# KiCad board KlusterLab r2.0.kicad_pcb (continued)
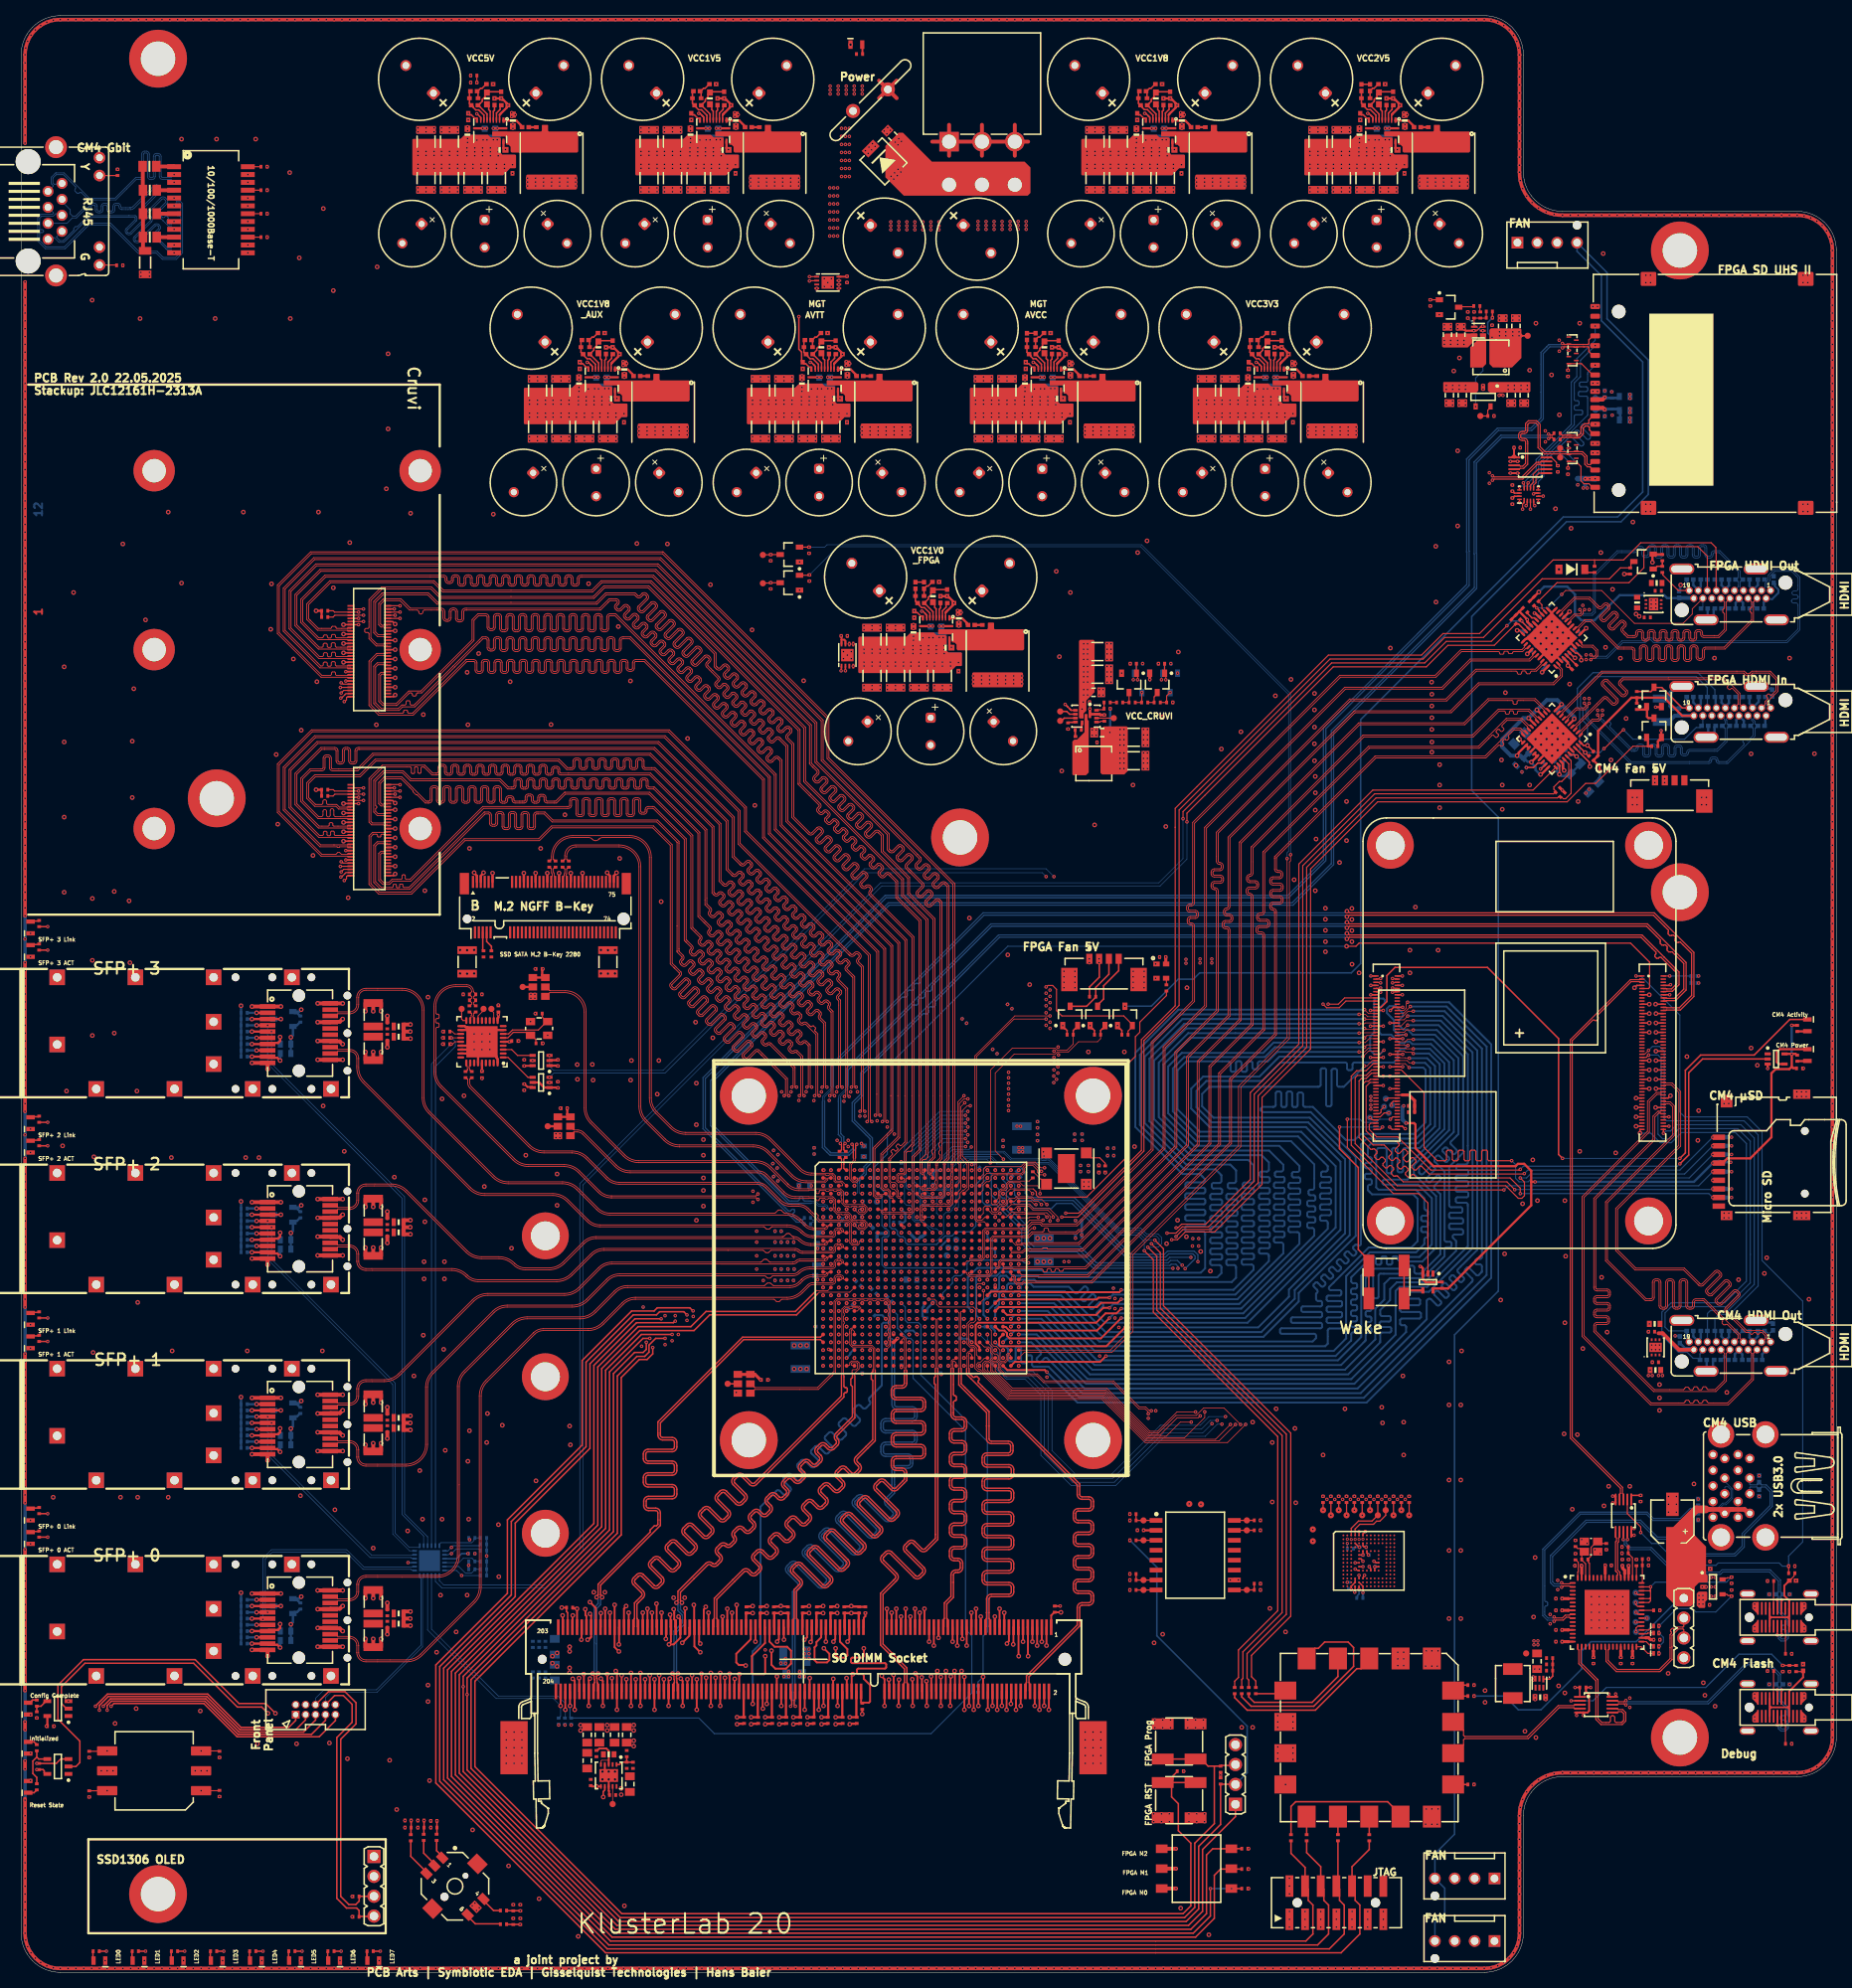
[diagram p0: board, top side]
## Routing (per net, layer and track width the routed paths; a pad name or vN(x,y) marks a point on that pad's centre or on a via; arc(x,y) is an arc through that point) (continued)
  L3 Inner2 (Sig) w0.1: v1(176.4,60.82) 176.4,61.9 arc(176.45,62.04) 176.6,62.1 176.78,62.1 arc(176.98,62.3) 176.78,62.5 176.02,62.5 arc(175.82,62.7) 176.02,62.9 176.79,62.9 arc(176.99,63.1) 176.79,63.3 176.6,63.3 arc(176.45,63.36) 176.4,63.5 176.4,64.2 175.65,64.95 175.65,82.75 159.15,99.25 135.86,99.25 135.12,99.99 133.41,99.99 131.05,102.35 v1(130.4,102.35)
eMMC.D6: length 86.3
  L3 Inner2 (Sig) w0.1: v1(170.4,60.82) 170.4,60.83 170.4,61.67 arc(170.45,61.78) 170.56,61.83 arc(170.67,61.87) 170.72,61.99 170.72,62.07 arc(170.67,62.18) 170.56,62.23 170.4,62.23 arc(170.29,62.27) 170.24,62.39 170.24,62.47 arc(170.29,62.58) 170.4,62.63 170.82,62.63 arc(170.94,62.67) 170.98,62.79 170.98,62.87 arc(170.94,62.98) 170.82,63.03 170.31,63.03 arc(170.19,63.07) 170.15,63.19 170.15,63.27 arc(170.19,63.38) 170.31,63.43 170.84,63.43 arc(170.95,63.47) 171,63.59 171,63.67 arc(170.95,63.78) 170.84,63.83 170.31,63.83 arc(170.19,63.87) 170.15,63.99 170.15,64.07 arc(170.19,64.18) 170.31,64.23 170.84,64.23 arc(170.95,64.27) 171,64.39 171,64.47 arc(170.95,64.58) 170.84,64.63 170.31,64.63 arc(170.19,64.67) 170.15,64.79 170.15,64.87 arc(170.19,64.98) 170.31,65.03 170.84,65.03 arc(170.95,65.07) 171,65.19 171,65.27 arc(170.95,65.38) 170.84,65.43 170.31,65.43 arc(170.19,65.47) 170.15,65.59 170.15,65.67 arc(170.19,65.78) 170.31,65.83 170.84,65.83 arc(170.95,65.87) 171,65.99 171,66.07 arc(170.95,66.18) 170.84,66.23 170.56,66.23 arc(170.45,66.27) 170.4,66.39 170.4,66.94 171.42,67.96 171.42,71.52 174.15,74.25 174.15,82.13 158.53,97.75 135.23,97.75 134.48,98.5 132.65,98.5 131.28,99.88 125.88,99.88 v1(125.5,99.5)
eMMC.D7: length 87
  L1 Top w0.1: U1.B21 123,102 123,102.62 123.32,102.94 127.79,102.94 128.37,103.52 129.6,103.52 130.32,102.8 v1(130.8,102.8)
  L3 Inner2 (Sig) w0.1: v1(130.8,102.8) 130.86,102.74 131.07,102.74 133.56,100.25 135.2,100.25 135.95,99.5 159.25,99.5 175.9,82.85 175.9,65.18 177.4,63.68 177.4,62.65 arc(177.45,62.5) 177.6,62.45 177.94,62.45 arc(178.14,62.25) 177.94,62.05 177.6,62.05 arc(177.45,61.99) 177.4,61.85 v1(177.4,60.82)
eMMC.DS: length 87.7
  L1 Top w0.1: U1.F22 124.1,96.9 124.93,96.9 125.01,96.98 v1(125.1,96.98)
  L3 Inner2 (Sig) w0.1: v1(125.1,96.98) 124.39,97.69 123.51,97.69 123.03,98.17 123.03,99.72 123.31,100 124.78,100 125,99.78 125,99.43 125.31,99.11 127.6,99.11 127.97,98.75 131.6,98.75 132.35,98 134.25,98 135,97.25 158.32,97.25 173.65,81.92 173.65,74.45 170.1,70.9 170.1,67.77 168.4,66.06 v1(168.4,60.82)
eMMC.~{RST: length 76.9
  L3 Inner2 (Sig) w0.1: v1(169.4,60.82) 169.4,61.19 169.59,61.39 169.59,65.1 169.35,65.35 169.35,66.5 170.42,67.57 170.42,70.87 173.9,74.35 173.9,82.02 158.42,97.5 135.11,97.5 134.36,98.25 132.5,98.25 131.73,99.02 128.33,99.02 127.85,99.5 v1(127.5,99.5)
eMMC_CLK: length 12.6
  L1 Top w0.1: R128.2 167.4,60.03
  L1 Top w0.165: v1(167.4,58.4) 167.4,60.03 ; v1(171.7,50.73) 171.7,50.65 171.51,50.47 171.51,50.35 U14.M6
  L3 Inner2 (Sig) w0.1: v1(171.7,50.73) 171.32,51.1 169.56,51.1 168.05,52.61 168.05,57.75 v1(167.4,58.4)
eMMC_CMD: length 12.7
  L1 Top w0.1: R127.2 166.4,60.03
  L1 Top w0.165: v1(166.4,59.05) 166.4,60.03 ; U14.M5 v1(171,50.73)
  L3 Inner2 (Sig) w0.1: v1(171,50.73) 169.17,50.73 167.7,52.2 167.7,57.15 166.4,58.45 v1(166.4,59.05)
eMMC_D0: length 6.6
  L1 Top w0.165: 173.4,58.4 R119.2 ; 173.4,58.4 172.66,57.66 170.93,57.66 170,56.73 U14.A3 ; 173.4,58.4 TP39.1
eMMC_D1: length 7.1
  L1 Top w0.165: U14.A4 170.5,56.65 171.1,57.25 172.84,57.25 173.24,57.65 173.66,57.65 174.4,58.39 TP40.1 174.4,60.03 R120.2
eMMC_D2: length 4.8
  L1 Top w0.1: R121.2 172.4,60.03
  L1 Top w0.165: U14.A5 171,56.3 v3(171,56.31) ; v1(172.4,59.05) 172.4,60.03
  L3 Inner2 (Sig) w0.1: v1(172.4,59.05) 172.4,58.68 171,57.27 171,56.31 v3(171,56.31)
eMMC_D3: length 10.9
  L1 Top w0.1: R122.2 175.4,60.03
  L1 Top w0.165: v1(175.4,58.4) 175.4,60.03
  L3 Inner2 (Sig) w0.1: v1(175.4,58.4) 173.89,58.4 172.74,59.54 171.72,59.54 170.81,58.63 170.81,58.29 169.5,56.97 v3(169.5,55.35)
eMMC_D4: length 5.3
  L1 Top w0.1: R123.2 171.4,60.03
  L1 Top w0.165: v1(171.4,58.4) 171.4,60.03
  L3 Inner2 (Sig) w0.1: v1(171.4,58.4) 171.4,58.33 170,56.92 v3(170,55.3)
eMMC_D5: length 8.7
  L1 Top w0.1: R124.2 176.4,60.03
  L1 Top w0.165: v1(176.4,59.05) 176.4,60.03
  L3 Inner2 (Sig) w0.1: v3(170.5,55.33) 170.97,55.8 171.91,55.8 173.11,57 174.79,57 176.4,58.61 v1(176.4,59.05)
eMMC_D6: length 8.4
  L1 Top w0.1: R125.2 170.4,60.03
  L1 Top w0.165: v1(170.4,59.05) 170.4,60.03
  L3 Inner2 (Sig) w0.1: v1(170.4,59.05) 170.4,58.41 169.11,57.13 169.11,54.58 169.36,54.33 170,54.33 v3(171,55.33)
eMMC_D7: length 8.8
  L1 Top w0.1: R126.2 177.4,60.03
  L1 Top w0.165: v1(177.4,58.4) 177.4,60.03
  L3 Inner2 (Sig) w0.1: v1(177.4,58.4) 176.57,58.4 174.85,56.68 173.24,56.68 171.91,55.35 v3(171.5,55.35)
eMMC_DS: length 9.6
  L1 Top w0.1: R130.2 168.4,60.03
  L1 Top w0.165: v1(168.4,59.05) 168.4,60.03
  L1 Top w0.166: v1(170.5,52.33) U14.H5
  L3 Inner2 (Sig) w0.1: v1(168.4,59.05) 168.43,59.02 168.43,53.42 169.52,52.33 v1(170.5,52.33)
eMMC_~{RST: length 11.1
  L1 Top w0.1: R129.2 169.4,60.03
  L1 Top w0.165: v1(169.4,58.4) 169.4,60.03 ; U14.K5 170.97,51.36 170.76,51.36 170.59,51.53 v1(170.5,51.53)
  L3 Inner2 (Sig) w0.1: v1(169.4,58.4) 169.4,57.88 168.79,57.28 168.79,53.6 169.4,53 170.5,53 171,52.5 171,52.03 v1(170.5,51.53)
FLASH.CLK: length 99.9
  L3 Inner2 (Sig) w0.1: v1(150.4,90.8) 150.4,88.45 149,87.05 149,66.4 157.64,57.76 v1(158.38,57.76)
  L12 Bottom w0.165: v1(150.4,90.8) 150.4,91.67 149.92,92.15 146.52,92.15 146.12,91.75 141.85,91.75 134.62,98.98 128.87,98.98 128.33,99.52 128.33,102 128.28,102.05 R117.2 128.28,102.29 127.91,102.67 127.91,102.67 127.63,102.95 123.29,102.95 123.01,102.66 123.01,101.66 122.02,100.68 122.02,95.37 121.27,94.61 119.48,94.61 118.96,94.09 118.09,94.09 117,93 113.3,93 113,93.3 113,93.7 112.7,94 112.3,94 112,94.3 112,94.7 111.7,95 111.3,95 111,95.3 111,99 v1(109.5,100.5)
FLASH.D0: length 90.3
  L3 Inner2 (Sig) w0.1: v1(158.38,56.49) 152.61,56.49 152.47,56.35 152.47,54.09 152.33,53.95 151.91,53.95 151.77,54.09 151.77,57.76 151.63,57.9 151.21,57.9 151.07,57.76 151.07,54.09 150.93,53.95 150.51,53.95 150.37,54.09 150.37,57.72 150.23,57.86 149.81,57.86 149.67,57.72 149.67,56.63 149.53,56.49 148.91,56.49 148.5,56.9 148.5,87.19 149.96,88.64 149.96,90.9 149.51,91.35 v1(149.5,91.35)
  L12 Bottom w0.165: v1(149.5,91.35) 146.79,91.35 146.44,91 141.55,91 134.31,98.23 132.33,98.23 131.69,97.59 129.44,97.59 128.87,98.16 127.03,98.16 125.91,99.28 125.91,100.8 125.52,101.18 125.52,101.48 v1(125.5,101.5)
FLASH.D1: length 89.3
  L3 Inner2 (Sig) w0.1: v1(141.71,48.85) 145.58,48.85 145.85,49.12 145.85,50.78 145.55,51.08 144.62,51.08 144.48,50.94 144.48,49.71 144.34,49.57 143.92,49.57 143.78,49.71 143.78,50.94 143.64,51.08 142.97,51.08 141,53.04 141,58.95 142.55,60.5 146.05,60.5 147,61.45 147,87.5 148.77,89.26 v1(148.77,89.91)
  L12 Bottom w0.165: v1(148.77,89.91) 150.05,91.2 150.05,91.5 149.75,91.8 146.67,91.8 146.26,91.39 141.7,91.39 134.47,98.62 127.68,98.62 126.98,99.32 126.98,100.67 126.66,100.99 126.29,100.99 126.01,101.28 126.01,102.01 v1(126.5,102.5)
FLASH.D2: length 92.2
  L3 Inner2 (Sig) w0.1: v1(158.39,48.86) 152.79,48.86 152.65,49 152.65,49.98 152.51,50.12 152.09,50.12 151.95,49.98 151.95,48.91 151.81,48.77 151.39,48.77 151.25,48.91 151.25,50.03 151.11,50.17 150.69,50.17 150.55,50.03 150.55,49 150.41,48.86 148.94,48.86 148,49.8 148,87.34 149.58,88.91 149.58,90.34 148.87,91.04 147.88,91.04 147.21,90.37 v1(147.21,89.95)
  L12 Bottom w0.165: v1(147.21,89.95) 137.04,89.95 134.94,92.05 128.93,92.05 127.88,93.1 127.88,94.84 124.67,98.05 123.25,98.05 122.86,98.44 122.86,100.86 v1(123.5,101.5)
FLASH.D3: length 92.7
  L3 Inner2 (Sig) w0.1: v1(141.71,57.74) 143.45,57.74 143.5,57.74 143.64,57.88 143.64,59.82 143.78,59.96 144.2,59.96 144.34,59.82 144.34,55.04 144.48,54.9 144.9,54.9 145.04,55.04 145.04,59.82 145.18,59.96 145.6,59.96 145.74,59.82 145.74,55.09 145.88,54.95 146.3,54.95 146.44,55.09 146.44,57.6 146.58,57.74 147.19,57.74 147.5,58.05 147.5,87.44 149.24,89.18 149.24,90.15 148.65,90.74 148.25,90.74 147.92,90.4 147.92,90.02 v1(147.85,89.95)
  L12 Bottom w0.165: v1(123.5,102.5) 124,102 124,99.33 128.31,95.02 128.31,93.21 129.13,92.39 135.15,92.39 137.22,90.32 146.84,90.32 146.98,90.47 147.59,90.47 147.81,90.25 147.81,89.99 v1(147.85,89.95)
FLASH.~{CS: length 93.1
  L3 Inner2 (Sig) w0.1: v1(148.39,90.35) 148.39,90.35 148.39,89.48 146.5,87.59 146.5,61.55 145.95,61 142.48,61 140.65,59.17 140.65,58.61 140.51,58.47 138.67,58.47 138.53,58.33 138.53,57.91 138.67,57.77 140.53,57.77 140.67,57.63 140.67,57.21 140.53,57.07 138.54,57.07 138.4,56.93 138.4,56.51 138.54,56.37 140.53,56.37 140.67,56.23 140.67,55.81 140.53,55.67 138.54,55.67 138.4,55.53 138.4,55.11 138.54,54.97 140.53,54.97 140.67,54.83 140.67,54.41 140.53,54.27 138.54,54.27 138.4,54.13 138.4,53.71 138.54,53.57 140.51,53.57 140.65,53.43 140.65,52.86 142.3,51.21 142.3,50.72 v1(141.71,50.12)
  L12 Bottom w0.165: v1(124.52,100.48) 124.98,100.02 124.98,99.36 125.4,98.94 125.66,98.94 126.01,98.58 126.01,97.92 128.72,95.2 128.72,93.42 129.41,92.73 135.34,92.73 137.43,90.65 146.61,90.65 146.91,90.95 147.77,90.95 148.39,90.33
FLASH.~{RST: length 2.6
  L1 Top w0.165: 143.45,55.21 U17.3 ; R118.1 TP59.1
FLASH_CLK: length 2.6
  L1 Top w0.165: TP57.1 156.65,57.75 U17.16 155.05,57.75 ; TP57.1 157.6,57.75 ; TP57.1 156.66,57.75
FLASH_D0: length 2.6
  L1 Top w0.165: U17.15 TP53.1 ; 156.65,56.48 R142.2
FLASH_D1: length 2.6
  L1 Top w0.165: R143.2 TP54.1 ; 143.45,48.86 U17.8
FLASH_D2: length 3.4
  L1 Top w0.165: R141.1 R144.2 TP55.1 ; U17.9 156.65,48.86
FLASH_D3: length 3.4
  L1 Top w0.165: R140.1 142.5,58.55 R145.2 TP56.1 ; 143.45,57.75 U17.1
FLASH_~{CS: length 3.3
  L1 Top w0.165: R139.1 142.5,50.9 R147.2 TP58.1 ; 143.45,50.13 U17.7
FPGA_DONE: length 283.2
  L1 Top w0.2: v2(31.55,33.1) 30.75,33.9 27.64,33.9 22.04,39.5 8.16,39.5 5.15,36.49 5.15,34.35 5.8,33.7 U15.2 ; v1(80.35,81) 79.48,81 75.2,76.72 75.2,56.52 56.5,37.82 v1(56.5,36.5) 56.5,25.65 76.15,6 149.2,6 151,7.8 151,15.7 155.2,19.9 J17.1
  L3 Inner2 (Sig) w0.2: v2(31.55,33.1) 34.37,35.92 55.92,35.92 v1(56.5,36.5)
  L10 Inner9 (Sig) w0.1: v1(80.35,81) 80.4,81.05 80.4,87.9 86.9,94.4 91.9,94.4 92.75,95.25 99.29,95.25 100.14,94.4 101.9,94.4 102.2,94.1 108.1,94.1 v1(108.5,94.5)
FPGA_EMCCLK: length 6.8
  L1 Top w0.1: U1.E23 124.9,98.9 124.9,99.33 124.9,99.75 125.25,100.1 125.67,100.1 125.9,100.33 125.9,100.75 126.25,101.1 128.84,101.1 129.1,101.37 129.16,101.37 R104.2
FPGA_FAN_PWM: length 39.2
  L1 Top w0.1: R93.1 137.97,119.29 137.58,118.9 135.15,118.9 133.85,117.6 132.43,117.6 132.16,117.33 126.93,117.33 124.5,114.9 124.5,104.94 v1(125.54,103.9) ; Q8.2 138.53,121.12
  L1 Top w0.2: R93.1 137.97,120.34 138.22,120.59 138.3,120.59 138.53,120.82 Q8.2
  L12 Bottom w0.1: v1(125.54,103.9) 124.94,104.5 120.1,104.5 119.5,103.9 119.5,103.3 119.1,102.9 119.1,101.1 v1(118.5,100.5)
FPGA_FAN_TACH: length 32.3
  L1 Top w0.1: R91.1 134.47,118.62 133.65,117.8 132.43,117.8 132.16,118.08 126.68,118.08 123.9,115.3 123.9,103.46 v1(123.87,103.43) ; Q7.2 135.03,121.12
  L1 Top w0.2: Q7.2 135.03,120.82 134.8,120.59 134.72,120.59 134.47,120.34 R91.1
  L12 Bottom w0.1: v1(120.5,101.5) 120.5,103.1 121.23,103.83 123.47,103.83 v1(123.87,103.43)
FPGA_M0: length 209.6
  L1 Top w0.1: U1.T5 105.9,86.9 102,86.9 101.8,86.7
  L1 Top w0.2: 101.8,86.7 99.1,84 88,84 86,82 79.06,82 74.2,77.14 74.2,56.94 55.5,38.24 55.5,25.24 75.74,5 149.8,5 152,7.2 v1(152,10.7) ; 154.69,10.7 R112.2
  L12 Bottom w0.2: v1(152,10.7) v1(154.7,10.7)
FPGA_M1: length 210.4
  L1 Top w0.1: 101.62,87.1 103.1,87.1 U1.T2
  L1 Top w0.2: R111.2 153.3,13.2 152.5,12.4 152.5,6.9 150.1,4.5 75.53,4.5 55,25.03 55,38.44 73.7,57.14 73.7,77.34 78.86,82.5 85.6,82.5 87.54,84.44 98.96,84.44 101.62,87.1
FPGA_M2: length 215.6
  L1 Top w0.2: S3.33 152.29,15.79 151.5,15 151.5,7.5 149.5,5.5 75.94,5.5 56,25.44 56,38.03 74.7,56.73 74.7,76.93 79.27,81.5 v1(83.2,81.5) ; 154.69,15.8 R110.2
  L10 Inner9 (Sig) w0.1: 102,89.9 106.1,89.9 v1(106.5,89.5) ; 102,89.9 102.1,89.9 ; 102,89.9 101.45,89.35 92.65,89.35 92.1,89.9 90.4,89.9 86.5,86 86.5,83.3 85.7,82.5 84.2,82.5 v1(83.2,81.5)
FPGA_PROG: length 225.6
  L1 Top w0.2: 152.5,26.35 R95.2 153.39,26.44 155.09,26.44 J17.3 ; 152.5,26.35 152.5,19 150,16.5 150,8.3 148.7,7 76.56,7 57.5,26.06 57.5,37.41 76.2,56.11 76.2,76.2 78.7,78.7 79.7,78.7 80.25,79.25 80.25,80.15 81.1,81 v1(82.3,81) ; 152.5,26.35 151.71,26.35 151.3,26.75 151.1,26.75 ; S4.2 S4.4
  L10 Inner9 (Sig) w0.1: v1(82.3,81) 82.37,81.07 82.37,81.37 84.6,83.6 84.6,85.1 89.9,90.4 101.8,90.4 102.1,90.1 106.9,90.1 v1(107.5,89.5)
FPGA_SD-UHSCLK: length 44.7
  L1 Top w0.1: U1.F23 125.1,98.1 125.67,98.1 125.9,98.33 125.9,99.58 126.43,100.1 129.35,100.1
  L1 Top w0.15: 129.35,100.1 129.75,99.7 129.75,99.3 130,99.05 136.18,99.05 141.43,104.29 141.43,116.05 142.41,117.03 142.41,119.55 142.98,120.11 142.98,121.4 146.38,124.8 R148.2
FPGA_SOFT_RST: length 255.9
  L1 Top w0.2: S2.4 147,24.25 ; 147,24.25 147.04,24.21 147.04,22.41 147.9,21.55 147.9,18.1 149.5,16.5 149.5,8.5 148.5,7.5 76.77,7.5 58,26.27 58,37.2 76.7,55.9 76.7,76 79,78.3 80,78.3 80.73,79.03 v1(80.73,79.83) ; 147,24.25 149.7,24.25 ; 149.1,23.65 149.7,24.25 ; 149.7,24.25 S2.2 ; R105.2 147.76,25.65 147.2,25.1 147.2,24.6
  L10 Inner9 (Sig) w0.1: v1(121.5,102.45) 121.5,101.5 120.9,100.9 120.9,91.36 119.09,89.55 119.09,88.49 118.7,88.1 117.37,88.1 117.13,88.34 117.13,93.57 116.8,93.9 104.1,93.9 103.9,93.7 100.05,93.7 99.55,94.2 92.7,94.2 92.2,93.7 87.2,93.7 80.73,87.23 v1(80.73,79.83)
FPGA_~{INIT: length 334.1
  L1 Top w0.2: J17.2 155.18,24.03 153.32,24.03 R94.2 153.3,18.9 150.5,16.1 150.5,8.1 148.9,6.5 76.36,6.5 57,25.86 v1(57,35.5) 57,37.61 75.7,56.31 75.7,76.5 78.4,79.2 79.5,79.2 79.9,79.6 v1(79.9,80.5) ; U12.2 7,26.3 7.5,26.8 7.5,29.55 4.7,32.35 4.7,36.69 7.96,39.95 22.25,39.95 27.85,34.35 31.25,34.35 v2(32.5,33.1)
  L3 Inner2 (Sig) w0.2: v2(32.5,33.1) 34.89,35.49 56.99,35.49 v1(57,35.5)
  L10 Inner9 (Sig) w0.1: v1(79.9,80.5) 79.9,88.4 87.5,96 108,96 v1(108.5,96.5)
  L12 Bottom w0.2: J17.2 156.7,25.51 156.7,31.45 145.15,43 145.15,51.76 v1(141.71,55.2)
GBE1_MDI0_C_N: length 32.4
  L12 Bottom w0.114: v1(19.55,220.7) 19.17,220.32 18.73,220.32 17.2,221.85 arc(17.14,221.99) 17.2,222.14 17.69,222.64 arc(17.82,222.93) 17.69,223.23 17.62,223.3 arc(17.35,223.42) 17.06,223.33 17.06,223.33 14.97,221.24 arc(14.82,221.18) 14.68,221.24 14.61,221.32 arc(14.55,221.46) 14.61,221.61 16.67,223.67 arc(16.79,223.96) 16.67,224.26 16.59,224.33 arc(16.32,224.45) 16.03,224.36 16.03,224.36 13.94,222.27 arc(13.8,222.21) 13.65,222.27 13.58,222.34 arc(13.52,222.49) 13.58,222.63 arc(13.58,222.63) 13.58,222.64 14.7,223.76 arc(14.82,224.03) 14.73,224.31 14.73,224.32 14.7,224.35 arc(14.7,224.35) 14.7,224.35 14.59,224.46 13.77,224.46 8.59,224.46 7.18,223.04 6.94,223.04 6.73,222.83 6.73,222.6 5.39,221.26 4.95,221.26 4.54,221.68 4.54,221.77 J34.2
GBE1_MDI0_C_P: length 32.5
  L12 Bottom w0.114: J34.1 3.64,221.63 4.24,221.63 4.83,221.05 5.48,221.05 8.68,224.25 14.5,224.25 14.55,224.2 arc(14.61,224.05) 14.55,223.91 13.39,222.75 13.39,222.75 arc(13.3,222.47) 13.43,222.19 13.5,222.12 arc(13.5,222.12) 13.5,222.12 arc(13.8,222) 14.09,222.12 16.15,224.18 arc(16.3,224.24) 16.44,224.18 16.51,224.11 arc(16.57,223.96) 16.51,223.82 14.42,221.73 14.42,221.72 arc(14.33,221.44) 14.46,221.16 14.53,221.09 arc(14.82,220.97) 15.12,221.09 17.18,223.15 arc(17.18,223.15) 17.18,223.15 arc(17.33,223.21) 17.47,223.15 17.54,223.08 arc(17.6,222.93) 17.54,222.79 17.05,222.29 arc(16.92,221.99) 17.05,221.7 18.5,220.24 18.5,220.22 18.62,220.11 18.72,220.11 18.75,220.08 19.17,220.08 v1(19.55,219.7)
GBE1_MDI1_C_N: length 32.7
  L12 Bottom w0.114: J34.6 5.22,226.25 6.27,225.2 6.27,224.7 6.58,224.39 6.97,224.39 8.04,225.47 8.57,225.47 arc(8.67,225.51) 8.72,225.62 8.72,225.64 arc(8.84,225.92) 9.11,226.04 9.32,226.04 arc(9.6,225.92) 9.71,225.64 9.71,225.2 arc(9.76,225.09) 9.87,225.05 10.07,225.05 arc(10.18,225.09) 10.23,225.2 10.23,225.64 arc(10.34,225.92) 10.62,226.04 10.83,226.04 arc(11.11,225.92) 11.22,225.64 11.22,225.2 arc(11.27,225.09) 11.38,225.05 11.58,225.05 arc(11.69,225.09) 11.74,225.2 11.74,225.64 arc(11.85,225.92) 12.13,226.04 12.34,226.04 arc(12.62,225.92) 12.73,225.64 12.73,225.62 arc(12.78,225.51) 12.89,225.47 14,225.47 arc(14.15,225.5) 14.28,225.58 17.02,228.33 17.03,228.33 arc(17.32,228.42) 17.59,228.29 17.76,228.12 arc(17.89,227.82) 17.76,227.52 15.76,225.52 arc(15.76,225.52) 15.76,225.52 arc(15.71,225.39) 15.76,225.26 15.94,225.08 arc(16.07,225.03) 16.2,225.08 17.84,226.73 arc(18.14,226.85) 18.44,226.73 18.62,226.56 arc(18.74,226.26) 18.62,225.96 17.61,224.94 arc(17.55,224.81) 17.61,224.68 18.07,224.23 arc(18.17,224.18) 18.28,224.23 18.42,224.36 arc(18.53,224.4) 18.64,224.36 18.78,224.21 arc(18.83,224.1) 18.78,224 18.65,223.86 arc(18.6,223.75) 18.65,223.64 18.97,223.32 19.17,223.32 v1(19.55,223.7)
GBE1_MDI1_C_P: length 32.7
  L12 Bottom w0.114: v1(19.55,222.7) 19.17,223.08 18.87,223.08 17.44,224.51 arc(17.31,224.81) 17.44,225.11 18.45,226.13 arc(18.5,226.26) 18.45,226.39 18.27,226.56 arc(18.14,226.61) 18.01,226.56 16.37,224.91 arc(16.06,224.79) 15.76,224.91 15.59,225.09 arc(15.47,225.36) 15.56,225.65 15.56,225.65 17.59,227.69 arc(17.65,227.82) 17.59,227.95 17.42,228.12 arc(17.29,228.18) 17.16,228.12 14.45,225.41 arc(14.24,225.27) 14,225.23 12.89,225.22 arc(12.61,225.34) 12.49,225.62 12.49,225.64 arc(12.45,225.75) 12.34,225.8 12.13,225.8 arc(12.02,225.75) 11.98,225.64 11.98,225.2 arc(11.86,224.92) 11.58,224.81 11.38,224.81 arc(11.1,224.92) 10.98,225.2 10.98,225.64 arc(10.94,225.75) 10.83,225.8 10.62,225.8 arc(10.51,225.75) 10.47,225.64 10.47,225.2 arc(10.35,224.92) 10.07,224.81 9.87,224.81 arc(9.59,224.92) 9.47,225.2 9.47,225.64 arc(9.43,225.75) 9.32,225.8 9.11,225.8 arc(9.01,225.75) 8.96,225.64 8.96,225.62 arc(8.84,225.34) 8.57,225.23 8.14,225.22 7.07,224.15 6.54,224.15 5.86,223.47 J34.3
GBE1_MDI2_C_N: length 36.4
  L12 Bottom w0.114: J34.5 4.12,224.83 4.12,224.74 4,224.61 2.51,224.61 2.12,224.22 2.12,221.19 3.08,220.22 5.63,220.22 8.64,223.24 11.35,223.24 14.93,219.66 17.27,219.66 18.06,218.87 19.83,218.87 20.63,219.67 20.63,225.99 20.3,226.32 19.84,226.32 19.55,226.61 v1(19.55,226.7)
GBE1_MDI2_C_P: length 36.5
  L12 Bottom w0.114: J34.4 5.02,224.69 4.42,224.69 4.1,224.37 2.61,224.37 2.36,224.12 2.36,222.8 arc(2.4,222.7) 2.51,222.65 2.71,222.65 arc(2.82,222.61) 2.86,222.51 2.86,222.44 arc(2.82,222.33) 2.71,222.29 2.51,222.29 arc(2.4,222.25) 2.36,222.14 2.36,221.25 2.4,221.25 3.15,220.5 3.15,220.46 5.53,220.46 8.54,223.48 11.45,223.48 15.03,219.9 17.37,219.9 18.16,219.11 19.73,219.11 20.39,219.77 20.39,224.2 arc(20.33,224.35) 20.19,224.41 20.06,224.41 arc(19.92,224.47) 19.86,224.61 19.86,224.72 arc(19.92,224.86) 20.06,224.92 20.19,224.92 arc(20.33,224.98) 20.39,225.13 20.39,225.89 20.21,226.08 19.84,226.08 19.55,225.79 v1(19.55,225.7)
GBE1_MDI3_C_N: length 32.7
  L12 Bottom w0.114: v1(19.55,228.7) 19.17,229.08 18.05,229.08 arc(17.77,229.2) 17.66,229.47 17.66,232 arc(17.61,232.11) 17.5,232.16 17.3,232.16 arc(17.19,232.11) 17.14,232 17.14,229.46 arc(17.03,229.18) 16.75,229.06 16.54,229.06 arc(16.26,229.18) 16.15,229.46 16.15,232.3 arc(16.1,232.4) 16,232.45 15.79,232.45 arc(15.68,232.4) 15.64,232.3 15.64,229.47 arc(15.52,229.2) 15.24,229.08 14.73,229.08 12.1,226.45 8.64,226.45 7.73,227.36 arc(7.58,227.42) 7.43,227.36 7.42,227.35 arc(7.27,227.29) 7.12,227.35 6.92,227.55 arc(6.86,227.7) 6.92,227.86 6.93,227.86 arc(6.99,228.01) 6.93,228.17 5.4,229.69 4.48,229.69 4.07,229.27 4.07,228.61 4.22,228.46 5.11,228.46 J34.8
GBE1_MDI3_C_P: length 32.7
  L12 Bottom w0.114: J34.7 4.09,228.2 4.09,228.29 3.85,228.52 3.85,229.36 4.4,229.9 4.45,229.9 4.47,229.92 5.5,229.92 8.73,226.68 12.01,226.68 14.65,229.32 15.24,229.32 arc(15.35,229.37) 15.39,229.47 15.39,232.3 arc(15.51,232.57) 15.79,232.69 16,232.69 arc(16.27,232.57) 16.39,232.3 16.39,229.46 arc(16.44,229.35) 16.54,229.3 16.75,229.3 arc(16.86,229.35) 16.9,229.46 16.9,232 arc(17.02,232.28) 17.3,232.4 17.5,232.4 arc(17.78,232.28) 17.9,232 17.9,229.47 arc(17.94,229.37) 18.05,229.32 19.17,229.32 v1(19.55,229.7)
Global_EN: length 29.9
  L1 Top w0.15: J7.99 173.7,107.7 v1(174,108)
  L1 Top w0.2: v1(168.5,108) 168.5,105.23 170.9,102.83 170.9,92.35 172.25,91 S1.2 S1.4
  L12 Bottom w0.15: v1(168.5,108) v1(174,108)
HDMI_AVCC3V3: length 31
  L1 Top w0.3: v2(193.02,154.62) U21.26 U21.25 ; v2(192.66,160.25) U21.16 ; v2(193.72,161.31) U21.13 ; U21.5 198.5,160.11 v2(198.5,160.15) ; U21.10 v2(196.87,162.01) ; 191.4,155.75 191.4,155.83 U21.22 U21.23 ; v2(194.2,153.05) 194.27,153.05 U21.30
  L12 Bottom w0.3: C181.1 196.87,161.66 v2(196.87,162.01) ; L13.2 192.12,155.1 192.53,154.68 192.96,154.68 v2(193.02,154.62) 193.02,154.54 193.55,154.01 193.55,153.62 194.12,153.05 v2(194.2,153.05)
  L12 Bottom w0.5: L13.2 191.94,155.11 191.6,155.45 v2(191.2,155.45) 190.4,155.45 189.3,156.55 189.3,157.55 191.99,160.25 v2(192.66,160.25) v2(193.72,161.31) 193.75,161.31 195,162.55 196.33,162.55 v2(196.87,162.01) ; 191.97,155.1 192.67,155.79 C182.1 ; v2(198.5,160.15) 198.48,160.17 198.48,160.41 196.9,161.98
HDMI_CM4_CEC: length 54.6
  L1 Top w0.115: v1(208,117.8) 207.54,117.34 207.19,117.34 J8.151
  L12 Bottom w0.15: v1(208,117.8) 208.5,118.3 209.4,118.3 210,117.7 210,109.1 210.3,108.8 220.2,108.8 222,107 222,87.7 218.36,84.06 217.01,84.06 216.47,83.53 D12.2 216.57,81.86 216.57,80.65 J11.13
HDMI_CM4_CLOCK_N: length 68.6
  L1 Top w0.114: J8.190 209.63,109.7 209.55,109.78 209.3,109.78 208.8,109.28 208.8,106.36 201.24,98.8 201.24,87.45 arc(201.29,87.34) 201.39,87.3 202.72,87.3 arc(203,87.18) 203.12,86.91 203.12,86.6 arc(203,86.32) 202.72,86.2 201.37,86.2 arc(201.26,86.16) 201.22,86.05 201.22,85.74 arc(201.26,85.64) 201.37,85.59 202.72,85.59 arc(203,85.48) 203.12,85.2 203.12,84.89 arc(203,84.61) 202.72,84.5 201.37,84.5 arc(201.26,84.45) 201.22,84.34 201.22,84.04 arc(201.26,83.93) 201.37,83.88 202.61,83.88 arc(202.89,83.77) 203,83.49 203,83.18 arc(202.89,82.9) 202.61,82.79 201.39,82.79 arc(201.29,82.74) 201.24,82.63 201.24,81.95 202.39,80.8 208.74,74.45 212.48,74.45 212.62,74.59 212.62,74.63 212.76,74.77 213.04,74.77 213.18,74.63 213.18,74.57 213.32,74.43 213.6,74.43 213.74,74.57 213.74,74.67 213.89,74.82 214.17,74.82 214.31,74.67 214.31,74.57 214.45,74.43 214.73,74.43 214.87,74.57 214.87,74.67 215.01,74.82 215.29,74.82 215.44,74.67 215.44,74.59 215.58,74.45 216.5,74.45 217.7,75.66 217.7,79.1 J11.12
  L12 Bottom w0.114: D11.2 217.44,78.47 217.52,78.47 217.59,78.54 217.59,78.82 217.71,78.95 217.71,79.08 J11.12
HDMI_CM4_CLOCK_P: length 68.6
  L1 Top w0.114: J8.188 209.63,110.1 209.55,110.02 209.2,110.02 208.56,109.38 208.56,106.46 201,98.9 201,87.45 arc(201.12,87.17) 201.39,87.06 202.72,87.06 arc(202.83,87.01) 202.88,86.91 202.88,86.6 arc(202.83,86.49) 202.72,86.45 201.37,86.45 arc(201.09,86.33) 200.97,86.05 200.97,85.74 arc(201.09,85.47) 201.37,85.35 202.72,85.35 arc(202.83,85.31) 202.88,85.2 202.88,84.89 arc(202.83,84.78) 202.72,84.74 201.37,84.74 arc(201.09,84.62) 200.97,84.34 200.97,84.04 arc(201.09,83.76) 201.37,83.64 202.61,83.64 arc(202.72,83.6) 202.76,83.49 202.76,83.18 arc(202.72,83.07) 202.61,83.03 201.39,83.03 arc(201.12,82.91) 201,82.63 201,81.85 208.64,74.21 216.6,74.21 217.94,75.56 217.94,79.1 J11.10
  L12 Bottom w0.114: D10.2 217.95,78.47 217.87,78.47 217.8,78.54 217.8,78.74 217.93,78.86 217.93,79.08 J11.10
HDMI_CM4_DATA0_N: length 68.6
  L1 Top w0.114: J8.184 210.13,110.9 210.21,110.98 210.68,110.98 211.06,110.6 211.06,107 202.5,98.44 202.5,90.91 207.6,85.81 208.3,85.81 arc(208.6,85.94) 208.73,86.24 208.73,88.17 arc(208.78,88.3) 208.91,88.35 209.16,88.35 arc(209.29,88.3) 209.34,88.17 209.34,85.16 arc(209.47,84.86) 209.77,84.73 210.01,84.73 arc(210.31,84.86) 210.44,85.16 210.44,88.17 arc(210.49,88.3) 210.62,88.35 210.87,88.35 arc(211,88.3) 211.05,88.17 211.05,85.16 arc(211.17,84.86) 211.48,84.73 211.72,84.73 arc(212.02,84.86) 212.15,85.16 212.15,88.17 arc(212.2,88.3) 212.33,88.35 212.58,88.35 arc(212.71,88.3) 212.76,88.17 212.76,85.16 arc(212.88,84.86) 213.18,84.73 213.43,84.73 arc(213.73,84.86) 213.85,85.16 213.85,85.63 arc(213.91,85.76) 214.04,85.81 215.04,85.81 217.46,83.39 217.46,83.19 217.4,83.13 217.4,82.93 217.6,82.73 217.8,82.73 217.86,82.79 218.06,82.79 219.43,81.42 219.43,81.01 J11.9
  L12 Bottom w0.114: D9.2 219.34,81.74 219.41,81.74 219.48,81.67 219.48,81.25 219.45,81.22 219.45,81.02 J11.9
HDMI_CM4_DATA0_P: length 68.6
  L1 Top w0.114: J8.182 210.13,111.3 210.21,111.22 210.78,111.22 211.3,110.7 211.3,106.9 202.74,98.34 202.74,91.01 207.7,86.05 208.3,86.05 arc(208.43,86.11) 208.49,86.24 208.49,88.17 arc(208.61,88.47) 208.91,88.59 209.16,88.59 arc(209.46,88.47) 209.58,88.17 209.58,85.16 arc(209.64,85.03) 209.77,84.97 210.01,84.97 arc(210.14,85.03) 210.2,85.16 210.2,88.17 arc(210.32,88.47) 210.62,88.59 210.87,88.59 arc(211.17,88.47) 211.29,88.17 211.29,85.16 arc(211.35,85.03) 211.48,84.97 211.72,84.97 arc(211.85,85.03) 211.9,85.16 211.9,88.17 arc(212.03,88.47) 212.33,88.59 212.58,88.59 arc(212.88,88.47) 213,88.17 213,85.16 arc(213.05,85.03) 213.18,84.97 213.43,84.97 arc(213.56,85.03) 213.61,85.16 213.61,85.63 arc(213.74,85.93) 214.04,86.05 215.14,86.05 219.67,81.52 219.67,81.01 J11.7
  L12 Bottom w0.114: J11.7 219.66,81.02 219.66,81.13 219.69,81.16 219.69,81.67 219.76,81.74 219.83,81.74 D8.2
